# Altium PCB HTBLEBMSALL24S100A_PCB_V0.2_260323.pcbdoc (part 4 of 7) (continued)
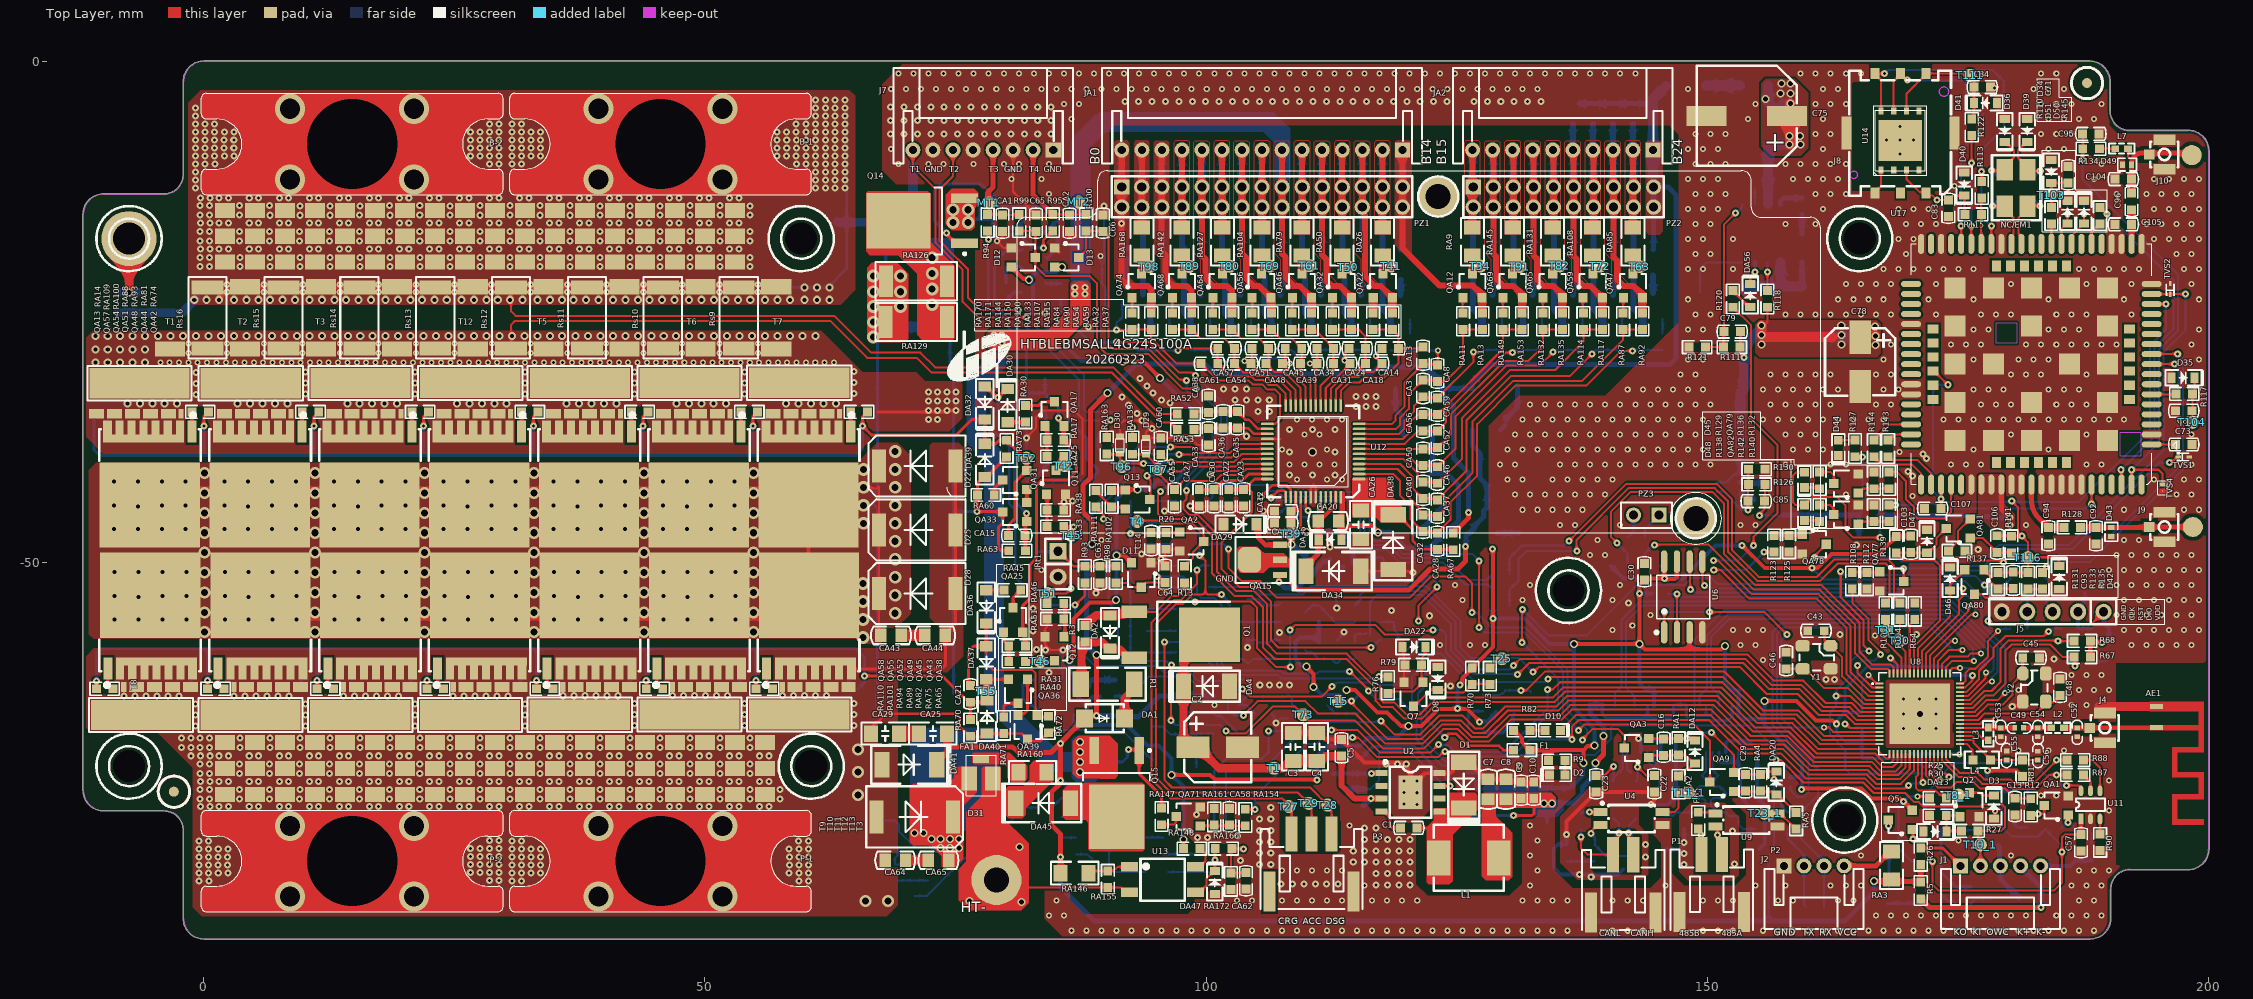
[diagram p0: Top Layer view]
## Nets (pads, with @x,y where several pads share a name; then routed paths per layer and width w, separated by ;. In a path a pad name is that pad's centre, name@x,y a point inside that pad or via, vN(x,y) a via of type N, cw(c..) or ccw(c..) an arc to the next point about the centre after c; other vN are vias at no path point) (continued)
  other v8: 171.194,-65.077 110.589,-38.965
GND_S: C38.1 C39.1 C40.1 D5.1 D6.1 R66.2 U7.9 U7.12 | length 20.7
  Bottom Layer w0.2: C40.1@155.07,-73.521 155.709,-74.159
  Bottom Layer w0.35: D5.1@145.84,-78.594 147.249,-78.594 147.673,-78.171 147.673,-77.667 147.74,-77.6 147.693,-77.553 147.693,-76.603 R66.2@147.647,-76.556 ; U7.12@151.829,-68.896 151.836,-68.889 151.836,-67.965 152.041,-67.76 153.79,-67.76 ; U7.9@153.786,-68.885 153.786,-68.305 153.79,-68.3 153.79,-67.76 ; 155.186,-78.594 155.709,-78.071 155.709,-74.159 C40.1@154.98,-73.431 C39.1@154.98,-72.075 C38.1@154.98,-70.719 154.98,-68.659 154.081,-67.76 153.79,-67.76
  other v1: 147.673,-80.11 152.69,-80.06 147.673,-79.014 147.673,-77.919 152.53,-76.77
GNSS_PWR_EN: R145.1 U17.98 | length 33.3
  Top Layer w0.2: R145.1@189.162,-14.546 189.845,-15.229 v1(189.89,-15.229) ; v1(191.29,-40.729) 191.31,-40.749 191.31,-42.553 U17.98@191.326,-42.568
  Bottom Layer w0.2: v1(189.89,-15.229) 196.51,-21.849 196.51,-26.659 194.606,-28.564 194.606,-37.414 v1(191.29,-40.729)
GNSS_RX: R143.2 U17.96 | length 6.4
  Top Layer w0.2: R143.2@168.04,-39.431 168.369,-39.76 170.98,-39.76 172.326,-41.106 U17.96@172.326,-42.568
GNSS_TX: R144.2 U17.95 | length 6.9
  Top Layer w0.2: R144.2@166.615,-39.43 167.404,-40.219 170.43,-40.219 171.326,-41.114 U17.95@171.326,-42.568
GP1: CA55.1 D29.2 RA139.1 T87.1 U12.34 | length 15.4
  Top Layer w0.2: RA139.1@92.978,-39.183 D29.2@94.004,-39.183 ; D29.2@94.004,-39.219 94.104,-39.219 94.304,-39.419 94.304,-39.519 95.467,-40.682 95.467,-41.331 CA55.1@96.502,-42.367 ; CA55.1@96.847,-42.711 97.683,-41.875 100.878,-41.875 101.476,-41.277 103.381,-41.277 104.004,-40.654 U12.34@106.11,-40.654
GP2: RA103.1 T70.1 U12.33 | length 35.3
  Top Layer w0.2: v1(91.08,-28) 94.271,-28 97.32,-31.049 98.573,-31.049 98.833,-31.309 v1(98.94,-31.309) ; v1(100.395,-41.215) 100.53,-41.215 100.886,-40.859 103.138,-40.859 103.844,-40.154 U12.33@106.11,-40.154
  Bottom Layer w0.2: v1(98.94,-31.309) 102.071,-34.44 102.071,-39.539 v1(100.395,-41.215)
  Bottom Layer w0.3: RA103.1@85.536,-23.816 85.536,-24.923 86.04,-25.428 T70.1@86.04,-25.599 88.47,-28.029 91.051,-28.029 v1(91.08,-28)
GP3: Q13.3 U12.32 | length 15.2
  Top Layer w0.2: v1(94.12,-41.328) 94.12,-41.463 94.426,-41.769 94.426,-43.62 Q13.3@94.36,-43.686 ; v1(96.509,-40.885) 97.499,-40.885 97.957,-40.428 102.935,-40.428 103.709,-39.654 U12.32@106.11,-39.654
  Bottom Layer w0.2: v1(94.12,-41.328) 94.837,-41.328 95.28,-40.885 v1(96.509,-40.885)
GP4: CA60.1 D30.2 RA163.1 T96.1 U12.31 | length 18.6
  Top Layer w0.2: RA163.1@89.981,-39.183 91.353,-39.183 D30.2@91.403,-39.132 ; D30.2@91.429,-39.107 D30.2@91.403,-39.132 ; v1(93.729,-40.118) 91.882,-40.118 91.403,-39.64 D30.2@91.403,-39.132 ; CA60.1@95.467,-39.208 96.108,-39.849 96.388,-39.849 v1(96.483,-39.945) 96.509,-39.97 102.757,-39.97 103.574,-39.154 U12.31@106.11,-39.154
  Bottom Layer w0.2: v1(93.729,-40.118) 93.816,-40.032 96.397,-40.032 v1(96.483,-39.945)
GP5: RA46.2 T51.1 U12.30 | length 32.9
  Top Layer w0.2: RA46.2@84.266,-54.078 84.266,-53.305 84.479,-53.093 86.03,-53.093 v1(86.524,-52.599) ; v1(97.271,-39.208) 98.719,-39.208 99.011,-39.5 102.541,-39.5 103.388,-38.654 U12.30@106.11,-38.654
  Bottom Layer w0.2: v1(86.524,-52.599) 86.524,-48.126 87.517,-47.133 87.517,-46.31 92.805,-41.022 92.805,-39.652 93.274,-39.183 97.245,-39.183 v1(97.271,-39.208)
GP6: RA33.1 T45.1 U12.29 | length 25.2
  Top Layer w0.2: RA33.1@85.79,-46.397 85.815,-46.422 v1(86.781,-46.422) ; v1(96.458,-38.472) 96.483,-38.446 98.592,-38.446 99.227,-39.081 102.351,-39.081 103.279,-38.154 U12.29@106.11,-38.154
  Bottom Layer w0.2: v1(86.781,-46.422) 92.352,-40.85 92.352,-39.295 93.176,-38.472 v1(96.458,-38.472)
HT-: FA1.1 pad.3 RA155.2 U13.2 | length 11.4
  Top Layer w0.2: 81.399,-82.886 81.881,-82.404 RA155.2@90.187,-82.404 91.483,-82.404 91.975,-82.896 U13.2@92.35,-82.896
  other v4: 81.559,-83.869 76.377,-83.747 81.366,-78.373
HTD: DA47.2 DA50.1 RA166.1 U13.3 | length 11.1
  Top Layer w0.2: U13.3@98.95,-82.896 99.325,-82.896 100.017,-82.204 100.017,-81.522 100.766,-80.773 DA47.2@100.868,-80.773 v1(100.868,-79.671) 100.868,-78.568 RA166.1@100.908,-78.528
  Bottom Layer w0.2: DA50.1@96.199,-80.852 100.512,-80.852 100.868,-80.496 v1(100.868,-79.671)
IGND: C20.2 C21.2 C22.1 C23.1 C24.1 C25.1 ESD1.3 U3.9 U3.12 | length 38.5
  Top Layer w0.381: v1(135.945,-77.115) 135.945,-75.831 C23.1@138.9,-72.875 C22.1@144.711,-72.875 144.711,-73.722 144.37,-74.063 v1(144.37,-74.149)
  Bottom Layer w0.381: v1(135.945,-77.115) 135.945,-78.095 135.115,-78.095 134.71,-78.5 134.71,-80.44 135.38,-81.11 141.07,-81.11 141.305,-80.875 141.33,-80.875 141.59,-80.615 ESD1.3@141.59,-80.59 ; U3.12@143.381,-68.896 143.389,-68.888 143.389,-67.9 143.66,-67.629 145.331,-67.629 ; v1(144.37,-74.149) 146.05,-74.149 C24.1@146.896,-73.304 C21.2@146.896,-71.859 ; U3.9@145.331,-68.896 145.331,-67.629 ; C21.2@146.84,-71.859 146.84,-68.029 146.44,-67.629 145.331,-67.629
  other v1: 138.419,-81.335 137.27,-81.1 143.83,-79.34 143.83,-78.1 143.11,-67.56
K+: J1.4 R5.2 R11.1 | length 17.7
  Top Layer w0.5: R5.2@171.294,-83.533 172.161,-84.4 v1(183.28,-84.4)
  Bottom Layer w0.5: J1.4@181.437,-79.771 181.437,-80.523 183.271,-82.357 R11.1@183.271,-83.434 183.276,-83.438 183.276,-84.396 v1(183.28,-84.4)
K-: J1.5 R17.1 R21.2 | length 5.3
  Bottom Layer w0.4: J1.5@183.246,-80.24 186.241,-80.24 R21.2@186.746,-79.736 R17.1@188.312,-79.736
KEY: C13.2 R12.2 U8.26 | length 14
  Top Layer w0.2: U8.26@171.794,-69.077 171.794,-71.224 172.98,-72.41 174.343,-72.41 174.894,-71.859 176.53,-71.859 177.179,-72.508 179.698,-72.508 C13.2@180.692,-73.503 182.212,-73.503 R12.2@182.263,-73.452
Load_DET: C27.1 R36.1 T16.1@94.276,-61.38 U8.21 | length 91.7
  Top Layer w0.2: v1(103.715,-65.246) 105.14,-63.821 109.908,-63.821 111.128,-65.041 114.852,-65.041 117.87,-68.06 121.622,-68.06 123.522,-66.16 125.251,-66.16 126.483,-67.392 128.056,-67.392 130.268,-65.179 135.36,-65.179 136.32,-64.219 150.635,-64.219 154.135,-67.72 157.83,-67.72 160.4,-70.29 166.21,-70.29 167.1,-71.18 169.02,-71.18 169.794,-70.406 U8.21@169.794,-69.077
  Bottom Layer w0.2: C27.1@92.369,-63.288 T16.1@94.276,-61.38 98.169,-61.38 99.023,-62.235 101.306,-62.235 102.16,-63.089 102.16,-64.674 102.732,-65.246 v1(103.715,-65.246)
  Bottom Layer w0.3: R36.1@90.895,-63.338 90.921,-63.313 C27.1@92.343,-63.313
LPwr: J2.4 RA3.2 | length 5.3
  Top Layer w0.5: J2.4@163.64,-80.24 166.823,-80.24 168.246,-78.817 RA3.2@168.373,-78.817
LUMrLt: ESD2.1 J2.3 R46.1 | length 8.8
  Bottom Layer w0.2: R46.1@159.34,-76.556 159.34,-77.49 161.391,-79.541 161.391,-79.991 J2.3@161.64,-80.24 ESD2.1@161.64,-84.406
LUMtLr: ESD2.2 J2.2 R50.1 T18_1.1 | length 9.6
  Bottom Layer w0.2: R50.1@157.996,-76.556 157.996,-77.516 159.64,-79.16 ; ESD2.2@159.778,-84.293 159.64,-84.155 J2.2@159.64,-80.24 ; J2.2@159.64,-80.24 159.64,-79.16 ; J2.2@159.64,-80.24 159.64,-79.16
M3V3: C11.2 C12.2 C17.2 C30.2 C31.1 C32.1 C33.2 C36.1 C37.1 C41.1 C42.1 C44.2 C47.1 C50.1 C51.1 C57.2 C58.1 C59.1 C60.1 C61.1 C103.2 D11.2 D12.2 D13.2 D14.2 F1.2 J5.1 Q3.2 Q5.2 Q13.1 R6.1 R9.2 R25.2 R33.2 R34.2 R35.2 R49.2 R57.1 R58.1 R62.1 R67.1 R68.1 R69.2 R70.2 R71.2 R81.2 R82.2 R83.1 R84.1 R86.1 R102.1 R103.1 R139.2 RA102.2 RA148.1 T14.1@135.55,-58.34 U1.2 U3.7 U5.5 U6.3 U6.7 U6.8 U7.7 U8.1 U8.12 U8.29 U8.32 U8.38 U8.47 U8.62 U10.4 U11.1 | length 510
  Top Layer w0.2: v1(163.74,-66.11) 163.875,-66.11 164.242,-66.477 U8.12@167.194,-66.477 ; v2(166.1,-61.229) 166.1,-61.283 166.894,-62.077 U8.1@167.194,-62.077 ; v1(168.28,-59.493) 168.314,-59.493 168.994,-60.173 U8.62@168.994,-61.077 ; v2(170.98,-73.31) 172.005,-73.31 R25.2@172.185,-73.489 ; v1(172.45,-79.809) 172.45,-82.1 173.07,-82.72 184.575,-82.72 185.38,-81.914 v1(185.38,-78.879) 185.38,-77.42 185.696,-77.104 C57.2@187.276,-77.104 ; U8.29@172.994,-69.077 172.994,-70.075 173.19,-70.271 v2(173.19,-70.379) ; U8.32@174.194,-69.077 174.194,-69.119 v2(175.18,-69.119) ; U8.38@175.194,-66.077 177.233,-66.077 177.67,-65.639 v2(178.77,-65.639) ; U8.47@175.194,-62.477 175.703,-62.477 176.426,-61.754 176.426,-61.271 v1@176.44,-61.256 ; v1(178.01,-55.819) 178.146,-55.819 178.466,-56.139 188.292,-56.139 J5.1@189.536,-54.895
  Top Layer w0.4: D12.2@80.558,-20.504 80.583,-20.504 81.758,-21.679 82.244,-21.679 v4(82.34,-21.775) ; D13.2@84.876,-20.504 84.88,-20.5 85.623,-20.5 v4(85.627,-20.496) ; v4(86.351,-59.729) 86.351,-59.62 86.776,-59.196 86.776,-55.617 88.399,-53.994 90.685,-53.994 90.941,-53.737 v4(91.022,-53.737) ; RA102.2@90.57,-42.797 91.883,-42.797 Q13.1@91.947,-42.734 91.967,-42.714 v4(93.156,-42.714) ; v4(91.048,-49.267) 91.81,-49.267 92.197,-49.654 92.222,-49.654 92.572,-50.004 D11.2@92.572,-50.029 ; v4(91.71,-29.919) 93.74,-29.919 v4(95.38,-31.559) ; v4(96.534,-71.162) 100.395,-71.162 100.888,-71.654 111.053,-71.654 v1(111.061,-71.662) ; v4(97.723,-77.628) 97.736,-77.641 97.736,-78.515 RA148.1@97.749,-78.528 ; v4(110.022,-60.367) 110.022,-60.421 110.728,-61.127 v4(110.728,-62.386) ; v4(114.009,-62.69) 114.83,-62.69 117.091,-64.951 118.066,-64.951 118.213,-65.098 119.425,-66.31 v4(120.207,-66.31) 121.462,-66.31 123.186,-64.585 v1@125.099,-64.585 ; v1(125.099,-64.542) v1@125.099,-64.585 ; v1(125.345,-62.19) 125.553,-61.983 125.553,-61.488 R70.2@126.545,-60.496 128.61,-58.43 v1(128.61,-55.579) 128.61,-48.679 v1(128.59,-48.659) ; v1(127.283,-65.896) 127.283,-65.82 126.049,-64.585 v1@125.099,-64.585 ; R82.2@130.704,-66.727 131.51,-67.534 131.51,-67.899 F1.2@132.32,-68.709 134.15,-68.709 ; R9.2@134.15,-69.749 134.15,-68.709 ; v4@136.572,-58.089 v4(136.68,-58.089) v4(143.21,-58.089) ; v4(137.63,-69.969) 137.63,-68.729 138.064,-68.296 138.674,-68.296 v4(138.75,-68.219) ; 137.63,-68.709 134.15,-68.709 ; C30.2@143.72,-51.74 143.21,-52.25 v4(143.21,-58.089) ; C30.2@144.11,-51.709 144.26,-51.56 v1(145.72,-51.56) ; U6.8@145.695,-49.809 145.707,-49.821 145.707,-51.547 v1(145.72,-51.56) ; U6.7@146.965,-50.119 146.965,-51.414 146.731,-51.649 145.89,-51.649 145.801,-51.56 v1(145.72,-51.56) ; U6.3@148.235,-56.689 148.235,-58.639 ; v4(151.75,-58.309) 151.696,-58.309 151.366,-58.639 148.235,-58.639 ; v1(153.48,-48.28) 155.729,-50.529 161.001,-50.529 162.4,-49.13 167.087,-49.13 R139.2@168.845,-47.372 168.87,-47.346 170.272,-47.346 C103.2@170.297,-47.321 ; v4(155.72,-63.789) 158.91,-63.789 160.85,-65.729 162.496,-65.729 162.836,-66.07 v1(162.88,-66.07) ; v1(159.39,-72.61) 159.447,-72.553 159.66,-72.553 159.702,-72.51 165.36,-72.51 166.4,-73.55 169.23,-73.55 169.497,-73.817 v1(169.578,-73.817) 170.185,-74.424 170.185,-74.449 170.435,-74.699 Q5.2@170.46,-74.699 ; v1(177.96,-70.749) 180.86,-70.749 R81.2@181.435,-71.325 ; C57.2@187.276,-77.104 U11.1@187.276,-75.556 ; R67.1@188.216,-59.429 R68.1@188.216,-57.805 188.297,-57.885 189.31,-57.885 v1(189.368,-57.942) ; v4(143.21,-58.089) 143.76,-58.639 148.235,-58.639
  Bottom Layer w0.2: v1(160.43,-50.529) 161.57,-51.669 174.46,-51.669 174.81,-51.319 176.72,-51.319 v1(177.64,-52.239) ; v1(163.74,-66.11) 163.875,-66.11 164.254,-66.489 C51.1@165.44,-66.489 ; C36.1@165.44,-64.899 165.44,-61.889 v2(166.1,-61.229) ; v1(168.28,-59.493) C32.1@169.133,-60.346 ; R49.2@170.015,-74.928 170.015,-74.254 v1(169.578,-73.817) ; v2(170.98,-73.31) 170.085,-73.31 v1(169.578,-73.817) ; v1(172.45,-79.809) 170.41,-79.809 169.07,-78.469 169.07,-74.324 v1(169.578,-73.817) ; v2(175.18,-69.119) 175.187,-69.112 175.187,-66.084 C47.1@175.194,-66.077 178.333,-66.077 v2(178.77,-65.639) ; v1(178.01,-55.819) 178.01,-53.269 177.64,-52.899 v1(177.64,-52.239) ; Q3.2@179.177,-72.741 179.375,-72.939 179.375,-76.335 180.369,-77.329 182.992,-77.329 R6.1@183.729,-76.592 185.367,-78.229 185.367,-78.866 v1(185.38,-78.879) ; R84.1@180.253,-51.596 179.61,-52.239 v1(177.64,-52.239)
  Bottom Layer w0.3: v1(162.88,-66.07) 162.957,-65.993 162.957,-65.733 163.73,-64.959 ; v1@162.88,-65.962 162.88,-66.969 163.79,-67.879 C50.1@165.44,-67.879 ; C51.1@165.44,-66.489 C50.1@165.44,-67.879 ; C36.1@165.44,-64.899 165.38,-64.959 163.73,-64.959 ; C59.1@171.194,-69.077 C58.1@169.794,-69.077 169.342,-69.529 R86.1@165.41,-69.529 165.425,-69.514 165.425,-67.894 C50.1@165.44,-67.879 ; v2(173.19,-70.379) 171.51,-70.379 171.207,-70.076 C59.1@171.207,-69.077 C59.1@171.207,-69.077 C60.1@174.034,-69.077 174.055,-69.098 175.159,-69.098 v2(175.18,-69.119) ; v1(176.44,-61.249) 174.404,-61.249 C42.1@173.5,-60.346 C41.1@171.96,-60.346 C32.1@169.133,-60.346 C31.1@167.6,-60.346 165.974,-60.346 163.73,-62.589 163.73,-64.959
  Bottom Layer w0.4: v4(85.627,-20.496) 85.519,-20.496 85.019,-20.996 83.118,-20.996 v4(82.34,-21.775) 82.34,-21.816 82.747,-22.224 82.747,-25.136 87.5,-29.889 91.68,-29.889 v4(91.71,-29.919) ; v4(86.351,-59.729) 86.351,-60.743 86.806,-61.197 86.806,-62.987 87.931,-64.113 ; R34.2@89.415,-63.338 89.314,-63.439 88.605,-63.439 87.931,-64.113 ; v4(91.022,-53.737) 91.035,-53.724 91.035,-49.334 91.048,-49.321 v4(91.048,-49.267) 91.048,-43.663 91.997,-42.714 v4(93.156,-42.714) 94.297,-42.714 95.135,-41.875 96.928,-41.875 99.608,-39.196 99.608,-35.786 v4(95.38,-31.559) ; v4(97.723,-77.628) 97.723,-72.35 v4(96.534,-71.162) 96.534,-69.536 95.239,-68.241 94.172,-68.241 92.102,-66.171 88.696,-66.171 88.131,-65.605 88.131,-64.312 87.931,-64.113 ; v4(110.022,-60.367) 109.983,-60.328 109.549,-60.328 108.904,-59.683 108.904,-57.908 109.341,-57.471 110.786,-57.471 ; v4(110.728,-62.386) 111.533,-63.19 113.014,-63.19 113.031,-63.207 113.307,-63.207 R35.2@113.501,-63.402 ; v1(111.061,-71.662) 111.061,-69.272 112.065,-68.268 115.345,-68.268 116.097,-67.516 119,-67.516 v4(120.207,-66.31) ; R71.2@111.251,-55.904 111.251,-57.006 ; v1(125.099,-64.542) 125.099,-62.517 125.345,-62.271 v1(125.345,-62.19) ; U1.2@126.081,-70.919 126.077,-70.915 126.086,-70.915 126.09,-70.919 127.005,-70.919 127.975,-71.889 U1.2@127.975,-72.519 ; U1.2@126.945,-72.519 U1.2@126.945,-71.774 ; v1(127.283,-65.896) 127.341,-65.838 128.121,-65.838 128.565,-65.394 128.59,-65.394 128.84,-65.144 D14.2@128.84,-65.119 128.84,-65.101 128.772,-65.032 D14.2@128.901,-64.903 ; v1(128.59,-48.659) 128.595,-48.664 128.595,-49.554 R102.1@128.6,-49.559 ; R103.1@128.6,-54.259 128.61,-54.269 v1(128.61,-55.579) 131.759,-55.579 134.269,-58.089 v4(136.68,-58.089) 136.68,-64.509 138.75,-66.579 v4(138.75,-68.219) ; U1.2@133.916,-72.52 133.943,-72.493 C11.2@136.07,-72.493 ; C11.2@136.071,-72.492 C11.2@136.304,-72.492 137.62,-71.175 137.62,-69.979 v4(137.63,-69.969) ; R58.1@140.399,-50.32 141.639,-51.56 v1(145.72,-51.56) ; v4(143.21,-58.089) 143.21,-62.039 143.73,-62.559 C17.2@144.681,-62.559 U3.7@144.681,-64.285 ; v1(143.22,-53.079) R62.1@144.46,-53.079 ; R57.1@145.42,-50.32 145.663,-50.563 145.663,-51.503 v1(145.72,-51.56) ; v4(151.75,-58.309) 151.75,-62.077 152.411,-62.738 153.117,-62.738 C33.2@153.129,-62.75 153.129,-65.279 153.46,-65.61 155.72,-65.61 ; v1(153.48,-48.28) 150.83,-48.28 147.55,-51.56 v1(145.72,-51.56) ; v4(155.72,-63.789) 155.72,-65.61 ; U5.5@158.27,-71.369 159.186,-71.369 159.42,-71.135 ; v1(159.39,-72.61) 159.42,-72.58 159.42,-71.135 ; v1(177.96,-70.749) 177.91,-70.799 177.91,-71.5 179.152,-72.741 Q3.2@179.177,-72.741 179.25,-72.668 180.377,-72.668 R33.2@180.45,-72.595 ; U10.4@188.7,-57.912 188.73,-57.942 v1(189.368,-57.942) C44.2@190.005,-57.942 ; J5.1@189.536,-54.895 189.579,-54.937 189.579,-56.032 R83.1@190.096,-56.549 190.069,-56.577 190.069,-57.952 C44.2@190.042,-57.979 ; 110.786,-57.471 111.251,-57.006 ; 110.786,-57.471 111.081,-57.471 111.251,-57.301 ; 110.786,-57.471 R69.2@111.251,-57.936 111.251,-57.301 ; 111.251,-57.301 111.251,-57.006 ; 155.72,-65.61 155.72,-66.19 159.42,-69.89 159.42,-71.135
  Bottom Layer w0.8: U1.2@127.975,-72.592 U1.2@133.915,-72.592
M5V: C6.1 C7.2 C8.2 C9.2 C10.2 C18.2 C19.2 C34.2 C35.2 L1.2 R8.1 T2.1@134.01,-76.026 U1.3 U3.6 U7.6 | length 61.3
  Top Layer w0.3: v1(130.646,-75.233) 132.513,-75.233 132.727,-75.019 132.727,-73.564 C10.2@132.681,-73.518 132.174,-74.025 132.174,-74.285
  Top Layer w0.5: v4(138.82,-69.968) 139.65,-69.138 v4(139.65,-67.289)
  Bottom Layer w0.3: R8.1@114.096,-69.452 R8.1@114.12,-69.428 C6.1@115.618,-69.428 ; C6.1@115.618,-69.379 116.674,-68.324 120.734,-68.324 123.934,-71.524 124.686,-71.524 125.21,-72.049 125.21,-74.729 125.714,-75.233 v1(130.646,-75.233) ; U1.3@133.915,-74.819 134.01,-74.913 T2.1@134.01,-76.026 ; U1.3@133.987,-74.613 U1.3@133.999,-74.6 ; C19.2@139.52,-64.179 139.52,-65.099 139.92,-65.499 144.031,-65.499 ; U3.6@144.031,-64.285 144.031,-65.499 ; U7.6@152.479,-64.285 152.479,-65.34 152.07,-65.749 148.36,-65.749 147.91,-65.299 C35.2@147.91,-64.179 C34.2@146.62,-64.179 146.62,-65.139 146.26,-65.499 144.031,-65.499
  Bottom Layer w0.5: v4(134.5,-74.034) 134.557,-73.977 136.613,-73.977 137.543,-73.047 137.543,-72.407 138.763,-71.187 138.763,-70.025 v4(138.82,-69.968) ; C19.2@139.52,-64.179 C18.2@138.23,-64.179 138.32,-64.269 138.32,-65.039 139.65,-66.369 v4(139.65,-67.289)
  other v4: 133.692,-74.034
M\C\S\: U6.1 U8.13 | length 33.9
  Top Layer w0.2: U6.1@145.695,-56.689 145.708,-56.677 145.708,-54.952 v1(145.72,-54.94) ; v1(150.239,-54.94) 155.721,-54.94 v1(157.95,-57.169) ; v2(161.64,-66.429) 161.65,-66.439 162.109,-66.439 162.547,-66.877 U8.13@167.194,-66.877
  Bottom Layer w0.2: v1(145.72,-54.94) v1(150.239,-54.94) ; v1(157.95,-57.169) 157.403,-57.716 157.403,-65.523 158.319,-66.439 161.63,-66.439 v2(161.64,-66.429)
M_CLK: R122.2 U17.32 | length 11
  Top Layer w0.2: U17.32@176.326,-18.568 176.328,-18.565 176.328,-16.392 v1(176.331,-16.39) ; v1(176.378,-10.125) R122.2@176.378,-7.609
  Bottom Layer w0.2: v1(176.331,-16.39) 176.355,-16.366 176.355,-10.149 v1(176.378,-10.125)
M_DATA: R113.2 R115.2 U17.31 | length 5
  Top Layer w0.2: U17.31@177.326,-18.568 177.326,-13.657 R113.2@177.374,-13.609
M_RST: R116.2 U17.33 | length 14.3
  Top Layer w0.2: v1(175.308,-16.39) 175.317,-16.398 175.317,-18.559 U17.33@175.326,-18.568
  Bottom Layer w0.2: v1(175.308,-16.39) 175.308,-8.931 177.48,-6.759 R116.2@177.48,-5.167
M_RX: R135.2 T113.1 U17.10 | length 32.2
  Top Layer w0.2: R135.2@183.456,-50.992 183.8,-50.648 183.8,-50.42 v1(183.84,-50.38) ; U17.10@194.923,-29.159 v1(196.93,-29.159)
  Bottom Layer w0.2: v1(183.84,-50.38) 183.858,-50.38 184.308,-49.929 188.211,-49.929 197.47,-40.67 197.47,-29.699 v1(196.93,-29.159)
M_TX: R137.2 T115.1 U17.9 | length 38.5
  Top Layer w0.2: R137.2@175.726,-48.829 176.697,-49.8 179.251,-49.8 179.42,-49.969 v1(179.555,-49.969) ; U17.9@194.33,-30.199 194.345,-30.185 196.575,-30.185 v1(196.59,-30.17)
  Bottom Layer w0.2: v1(179.555,-49.969) 180.025,-49.499 187.991,-49.499 197.03,-40.46 197.03,-30.649 196.59,-30.209 v1(196.59,-30.17)
MACC: R74.1 T26.1@115.233,-53.512 U8.9 | length 60.6
  Top Layer w0.2: v1(130.668,-60.261) 131.34,-59.589 153.804,-59.589 156.396,-62.181 159.381,-62.181 161.61,-64.41 164.22,-64.41 165.087,-65.277 U8.9@167.194,-65.277
  Bottom Layer w0.2: R74.1@114.834,-54.253 T26.1@115.458,-53.628 ; T26.1@115.328,-53.253 115.75,-52.83 121.805,-52.83 124.881,-55.906 124.881,-58.642 126.89,-60.651 130.278,-60.651 v1(130.668,-60.261)
MASCL: R104.1 T30.1 U8.60 | length 5.6
  Top Layer w0.2: R104.1@169.214,-55.682 169.214,-56.7 169.214,-58.303 169.794,-58.884 U8.60@169.794,-61.077
MASDA: R106.1 T31.1 U8.61 | length 6.1
  Top Layer w0.2: R106.1@167.781,-55.682 167.781,-57.06 167.781,-57.897 169.394,-59.51 U8.61@169.394,-61.077
MCANRx: U3.1 U8.44 | length 56.6
  Top Layer w0.2: U8.44@175.194,-63.677 176.183,-63.677 177.971,-61.889 178.381,-61.889 v2(178.4,-61.869)
  Bottom Layer w0.2: U3.1@140.77,-64.285 140.777,-64.277 140.777,-63.02 141.44,-62.357 141.44,-55.71 143.26,-53.89 174.441,-53.89 178.96,-58.409 178.96,-60.869 178.405,-61.425 178.405,-61.865 v2(178.4,-61.869)
MCANTx: U3.4 U8.45 | length 54.6
  Top Layer w0.2: U8.45@175.194,-63.277 176.013,-63.277 177.734,-61.556 177.734,-61.046 v2(177.81,-60.969)
  Bottom Layer w0.2: U3.4@142.73,-64.285 142.73,-63.289 141.87,-62.429 141.87,-55.94 143.52,-54.29 174.221,-54.29 178.53,-58.599 178.53,-60.669 178.245,-60.955 177.825,-60.955 v2(177.81,-60.969)
MCRG: R72.1 T24.1@115.99,-57.04 U8.10 | length 64.1
  Top Layer w0.2: v1(131.078,-61.154) 132.223,-60.009 153.58,-60.009 156.18,-62.609 159.199,-62.609 161.4,-64.81 164.01,-64.81 164.877,-65.677 U8.10@167.194,-65.677
  Bottom Layer w0.2: R72.1@114.834,-57.936 114.834,-57.301 115.04,-57.095 115.935,-57.095 T24.1@115.99,-57.04 ; T24.1@116.346,-57.319 116.346,-53.935 117.034,-53.247 121.549,-53.247 124.431,-56.129 124.431,-58.814 126.724,-61.107 131.032,-61.107 v1(131.078,-61.154)
MEKeyO: D3.2 Q2.3 R25.1 T8_1.1 U8.24 | length 12
  Top Layer w0.2: U8.24@170.994,-69.077 170.994,-71.196 170.81,-71.38 170.81,-72.451 171.064,-72.704 172.733,-72.704 173.185,-73.156 173.502,-73.156 R25.1@173.836,-73.489 ; R25.1@173.836,-73.489 174.392,-72.932 Q2.3@176.145,-72.932 177.142,-72.932 177.445,-73.235 D3.2@178.584,-73.235
MI-: CA65.2 D31.2 FA1.3 QA75.9
  other v4: 73.504,-78.474 74.429,-78.474 75.353,-78.474 72.58,-77.56 73.504,-77.56 74.429,-77.56 75.353,-77.56 70.888,-76.953 71.813,-76.953
MLedDox: D10.2 U8.23 | length 40.9
  Top Layer w0.2: D10.2@135.344,-66.734 136.869,-65.209 150.34,-65.209 153.711,-68.58 157.52,-68.58 160.05,-71.11 165.88,-71.11 166.83,-72.06 169.31,-72.06 170.594,-70.776 U8.23@170.594,-69.077
MMISO: R62.2 U6.2 U8.55 | length 42.7
  Top Layer w0.2: v1(146.96,-53.13) 146.962,-53.132 146.962,-56.948 U6.2@146.965,-56.95 ; U8.55@171.794,-61.077 171.794,-59.066 176.02,-54.84 v2(176.02,-54.359)
  Bottom Layer w0.2: R62.2@146.111,-53.079 146.162,-53.13 v1(146.96,-53.13) 147.055,-53.13 147.327,-53.402 174.221,-53.402 174.228,-53.409 174.62,-53.409 175.57,-54.359 v2(176.02,-54.359)
MMOSI: U6.5 U8.56 | length 38.3
  Top Layer w0.2: U6.5@149.505,-50.119 149.508,-50.122 149.508,-51.893 149.74,-52.125 v1(149.74,-52.26) ; U8.56@171.394,-61.077 171.394,-58.826 175.125,-55.095 175.125,-53.689 175.49,-53.324 v1(175.49,-52.569)
  Bottom Layer w0.2: v1(149.74,-52.26) 149.798,-52.26 150.107,-52.569 v1(175.49,-52.569)
MNTC3: C65.2 D12.3 R99.2 U8.17 | length 133
  Top Layer w0.2: R99.2@81.356,-16.897 82.974,-16.897 82.971,-16.901 D12.3@82.971,-19.551 82.971,-20.387 84.003,-21.419 88.405,-21.419 89.105,-22.119 89.105,-28.266 90.011,-29.172 94.204,-29.172 97.66,-32.629 v1(98.98,-32.629) ; v1(98.038,-42.81) 98.038,-43.665 97.753,-43.95 97.753,-44.669 98.315,-45.231 99.161,-45.231 101.081,-47.151 101.081,-50.918 103.011,-52.848 104.789,-52.848 106.085,-54.144 106.085,-58.103 107.052,-59.071 114.048,-59.071 117.347,-62.371 117.347,-63.623 117.649,-63.925 118.752,-63.925 119.969,-65.142 121.333,-65.142 123.002,-63.473 134.594,-63.473 135.637,-62.429 151.414,-62.429 154.984,-66 158.48,-66 161.08,-68.6 166.885,-68.6 167.834,-69.549 168.042,-69.549 168.194,-69.397 U8.17@168.194,-69.077
  Bottom Layer w0.2: v1(98.038,-42.81) 98.041,-42.807 98.041,-42.294 101.462,-38.873 101.462,-35.111 v1(98.98,-32.629)
MNTC4: C66.2 D13.3 R100.2 U8.18 | length 134.6
  Top Layer w0.2: D13.3@87.289,-19.551 87.314,-19.551 88.032,-18.832 R100.2@88.032,-16.897 C66.2@89.6,-16.897 ; C66.2@89.702,-16.948 90.28,-17.527 90.28,-28.24 90.739,-28.699 94.34,-28.699 97.385,-31.744 97.955,-31.744 v1(98.05,-31.839) ; v1(95.447,-42.886) 95.447,-43.013 95.207,-43.253 95.207,-45.168 95.703,-45.663 98.936,-45.663 100.586,-47.313 100.586,-51.057 102.859,-53.331 104.561,-53.331 105.653,-54.423 105.653,-58.436 106.821,-59.605 113.964,-59.605 116.9,-62.541 116.9,-63.796 117.521,-64.416 118.626,-64.416 119.776,-65.566 121.493,-65.566 123.174,-63.884 134.795,-63.884 135.83,-62.849 151.195,-62.849 154.795,-66.45 158.33,-66.45 160.92,-69.04 166.731,-69.04 167.661,-69.97 168.28,-69.97 168.594,-69.656 U8.18@168.594,-69.077
  Bottom Layer w0.2: v1(95.447,-42.886) 95.492,-42.886 95.815,-42.564 97.04,-42.564 100.649,-38.954 100.649,-35.408 98.05,-32.809 v1(98.05,-31.839)
MPRE_DSG: R73.1 T25.1@129.514,-59.586 U8.8 | length 41.8
  Top Layer w0.2: R73.1@128.304,-60.496 129.272,-59.528 129.832,-59.528 130.181,-59.179 154.043,-59.179 156.634,-61.77 159.58,-61.77 161.809,-63.999 164.399,-63.999 165.277,-64.877 U8.8@167.194,-64.877
MSCK: U6.6 U8.54 | length 41.2
  Top Layer w0.2: U6.6@148.235,-49.599 148.277,-49.641 148.277,-52.627 v1(148.32,-52.67) ; U8.54@172.194,-61.077 172.194,-59.278 176.292,-55.18 176.72,-55.18 v2(176.73,-55.169)
  Bottom Layer w0.2: v1(148.32,-52.67) 148.455,-52.67 148.774,-52.989 174.849,-52.989 175.189,-53.329 175.98,-53.329 176.73,-54.079 v2(176.73,-55.169)
MSCL: R67.2 U8.42 U10.1 | length 18.3
  Top Layer w0.2: U8.42@175.194,-64.477 176.503,-64.477 177.751,-63.229 178.571,-63.229 179.74,-62.06 179.74,-58.789 180.367,-58.163 184.194,-58.163 185.46,-59.429 R67.2@186.565,-59.429 186.668,-59.531 v1(186.668,-60.287)
  Bottom Layer w0.2: U10.1@185.906,-59.812 186.16,-59.812 186.635,-60.287 v1(186.668,-60.287)
MSDA: R68.2 U8.43 U10.3 | length 16.9
  Top Layer w0.2: U8.43@175.194,-64.077 176.333,-64.077 177.611,-62.799 178.351,-62.799 179.23,-61.92 179.23,-58.609 180.087,-57.753 184.823,-57.753 184.895,-57.826 186.544,-57.826 R68.2@186.565,-57.805
  Bottom Layer w0.2: v1(184.981,-57.826) 185.024,-57.869 185.863,-57.869 U10.3@185.906,-57.912
MUMrLt: U5.4 U8.53 | length 43.9
  Top Layer w0.2: U8.53@172.594,-61.077 172.594,-59.565 174.326,-57.833 174.686,-57.833 v2(174.73,-57.789)
  Bottom Layer w0.2: U5.4@158.27,-72.319 158.281,-72.33 158.281,-72.681 158.99,-73.39 159.63,-73.39 160.1,-72.92 160.1,-69.729 156.48,-66.109 156.48,-56.929 157.37,-56.039 172.5,-56.039 174.155,-57.694 174.635,-57.694 v2(174.73,-57.789)
MUMtLr: U5.1 U8.52 | length 39.1
  Top Layer w0.2: U8.52@172.994,-61.077 172.994,-59.815 174.1,-58.709 v2(175.47,-58.709)
  Bottom Layer w0.2: U5.1@161.064,-70.419 160.76,-70.419 160.57,-70.23 160.57,-69.45 156.93,-65.81 156.93,-57.129 157.6,-56.459 172.26,-56.459 174.51,-58.709 v2(175.47,-58.709)